# Altium PCB 191230 PCB.PcbDoc (part 1 of 2) (continued)
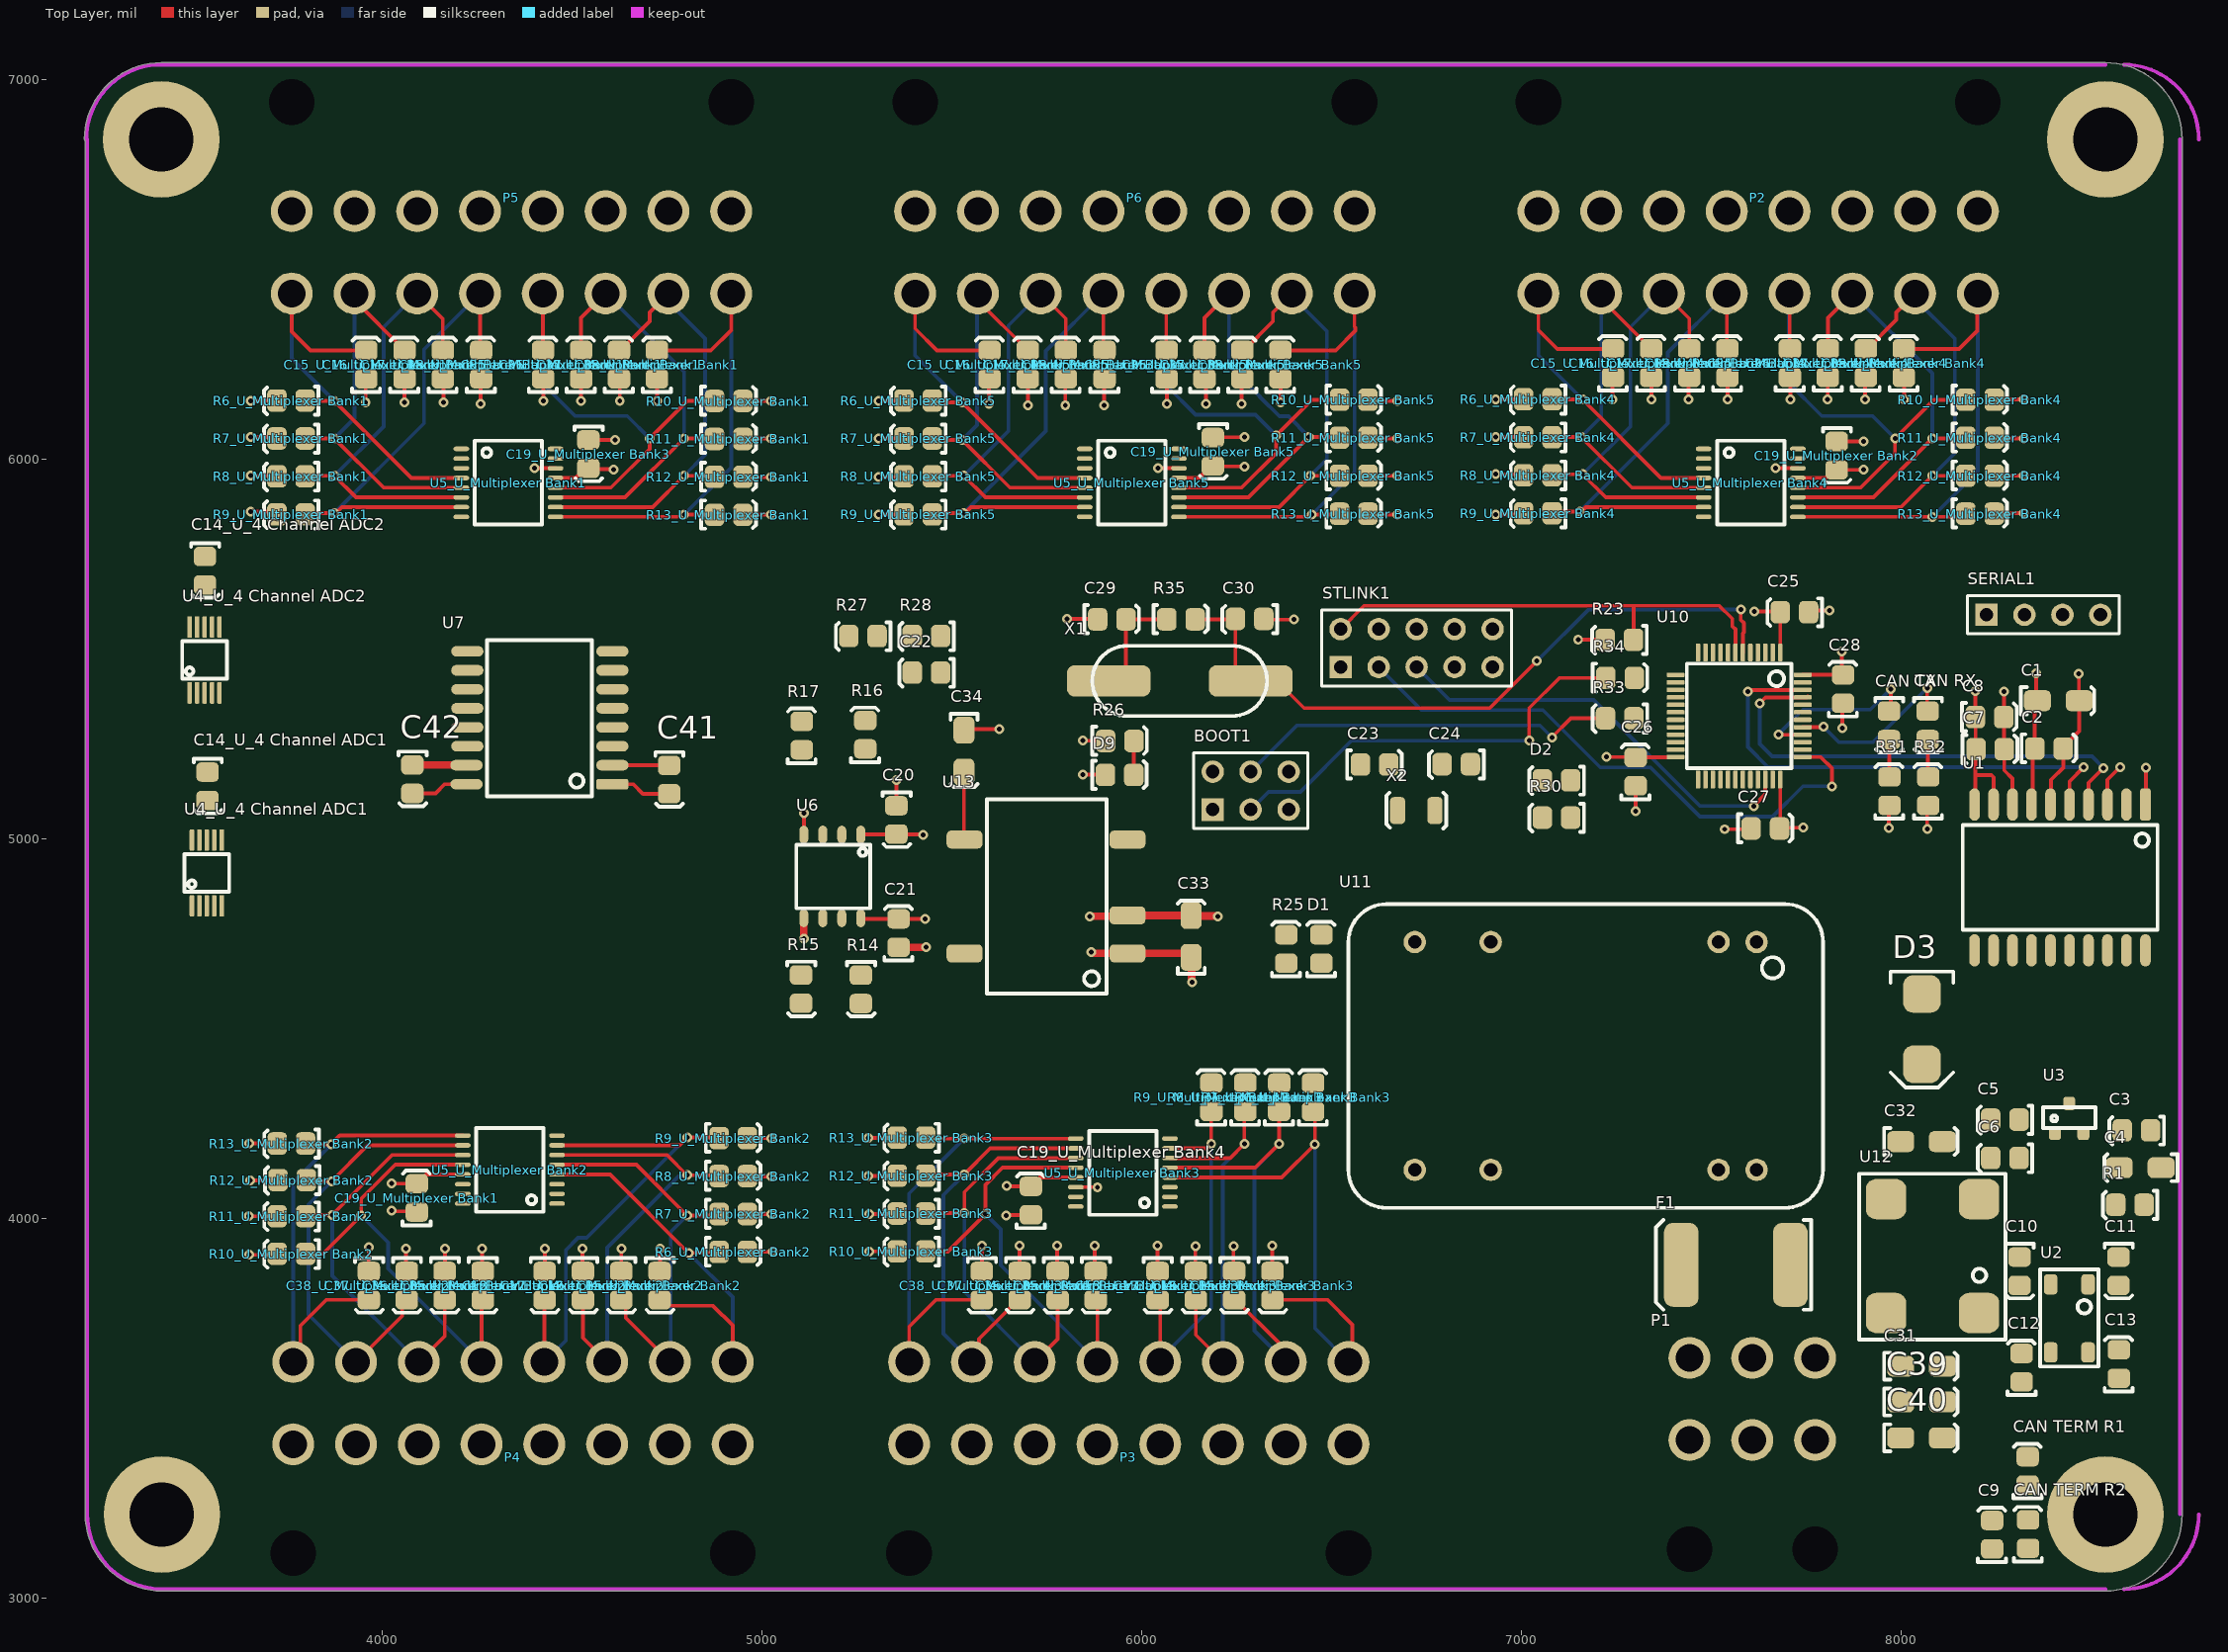
[diagram p0: Top Layer view]
## Classes and differential pairs
channel class "Multiplexer Bank": "U_Multiplexer Bank1" "U_Multiplexer Bank2" "U_Multiplexer Bank3" "U_Multiplexer Bank4" "U_Multiplexer Bank5" "U_Multiplexer Bank6" "U_Multiplexer Bank7" "U_Multiplexer Bank8"
channel class "4 Channel ADC": "U_4 Channel ADC1" "U_4 Channel ADC2"
component class "U_Power Supply": "0V ISO TP" "0V TP" "3.3V ISO TP" "5V TP" C31 C32 C33 C34 C39 C40 D1 D3 D9 F1 "GLV+ TP" "GLV- TP" R25 R26 U11 U12 U13
component class "U_Multiplexer Bank5": "C15_U_Multiplexer Bank5" "C16_U_Multiplexer Bank5" "C17_U_Multiplexer Bank5" "C18_U_Multiplexer Bank5" "C19_U_Multiplexer Bank5" "C35_U_Multiplexer Bank5" "C36_U_Multiplexer Bank5" "C37_U_Multiplexer Bank5" "C38_U_Multiplexer Bank5" "MUX TP1_U_Multiplexer Bank5" "R6_U_Multiplexer Bank5" "R7_U_Multiplexer Bank5" "R8_U_Multiplexer Bank5" "R9_U_Multiplexer Bank5" "R10_U_Multiplexer Bank5" "R11_U_Multiplexer Bank5" "R12_U_Multiplexer Bank5" "R13_U_Multiplexer Bank5" "U5_U_Multiplexer Bank5"
component class "U_Multiplexer Bank4": "C15_U_Multiplexer Bank4" "C16_U_Multiplexer Bank4" "C17_U_Multiplexer Bank4" "C18_U_Multiplexer Bank4" "C19_U_Multiplexer Bank4" "C35_U_Multiplexer Bank4" "C36_U_Multiplexer Bank4" "C37_U_Multiplexer Bank4" "C38_U_Multiplexer Bank4" "MUX TP1_U_Multiplexer Bank4" "R6_U_Multiplexer Bank4" "R7_U_Multiplexer Bank4" "R8_U_Multiplexer Bank4" "R9_U_Multiplexer Bank4" "R10_U_Multiplexer Bank4" "R11_U_Multiplexer Bank4" "R12_U_Multiplexer Bank4" "R13_U_Multiplexer Bank4" "U5_U_Multiplexer Bank4"
component class "U_Multiplexer Bank3": "C15_U_Multiplexer Bank3" "C16_U_Multiplexer Bank3" "C17_U_Multiplexer Bank3" "C18_U_Multiplexer Bank3" "C19_U_Multiplexer Bank3" "C35_U_Multiplexer Bank3" "C36_U_Multiplexer Bank3" "C37_U_Multiplexer Bank3" "C38_U_Multiplexer Bank3" "MUX TP1_U_Multiplexer Bank3" "R6_U_Multiplexer Bank3" "R7_U_Multiplexer Bank3" "R8_U_Multiplexer Bank3" "R9_U_Multiplexer Bank3" "R10_U_Multiplexer Bank3" "R11_U_Multiplexer Bank3" "R12_U_Multiplexer Bank3" "R13_U_Multiplexer Bank3" "U5_U_Multiplexer Bank3"
component class "U_Multiplexer Bank2": "C15_U_Multiplexer Bank2" "C16_U_Multiplexer Bank2" "C17_U_Multiplexer Bank2" "C18_U_Multiplexer Bank2" "C19_U_Multiplexer Bank2" "C35_U_Multiplexer Bank2" "C36_U_Multiplexer Bank2" "C37_U_Multiplexer Bank2" "C38_U_Multiplexer Bank2" "MUX TP1_U_Multiplexer Bank2" "R6_U_Multiplexer Bank2" "R7_U_Multiplexer Bank2" "R8_U_Multiplexer Bank2" "R9_U_Multiplexer Bank2" "R10_U_Multiplexer Bank2" "R11_U_Multiplexer Bank2" "R12_U_Multiplexer Bank2" "R13_U_Multiplexer Bank2" "U5_U_Multiplexer Bank2"
component class "U_Multiplexer Bank1": "C15_U_Multiplexer Bank1" "C16_U_Multiplexer Bank1" "C17_U_Multiplexer Bank1" "C18_U_Multiplexer Bank1" "C19_U_Multiplexer Bank1" "C35_U_Multiplexer Bank1" "C36_U_Multiplexer Bank1" "C37_U_Multiplexer Bank1" "C38_U_Multiplexer Bank1" "MUX TP1_U_Multiplexer Bank1" "R6_U_Multiplexer Bank1" "R7_U_Multiplexer Bank1" "R8_U_Multiplexer Bank1" "R9_U_Multiplexer Bank1" "R10_U_Multiplexer Bank1" "R11_U_Multiplexer Bank1" "R12_U_Multiplexer Bank1" "R13_U_Multiplexer Bank1" "U5_U_Multiplexer Bank1"
component class U_Microcontroller: BOOT1 C22 C23 C24 C25 C26 C27 C28 C29 C30 "CAN RX" "CAN TX" D2 "PCB TEMP" R23 R27 R28 R30 R31 R32 R33 R34 R35 SERIAL1 STLINK1 U10 X1 X2
component class "U_Digital Isolation": C20 C21 C41 C42 R14 R15 R16 R17 "SCL ISO TP" "SCL TP" "SDA ISO TP" "SDA TP" "SEL0 ISO TP" "SEL0 TP" "SEL1 ISO TP" "SEL1 TP" "SEL2 ISO TP" "SEL2 TP" U6 U7
component class U_CAN: C1 C2 C3 C4 C5 C6 C7 C8 C9 C10 C11 C12 C13 "CAN RX TP" "CAN TERM R1" "CAN TERM R2" "CAN TX TP" "CANH TP1" "CANL TP1" R1 U1 U2 U3
component class "U_4 Channel ADC2": "C14_U_4 Channel ADC2" "U4_U_4 Channel ADC2"
component class "U_4 Channel ADC1": "C14_U_4 Channel ADC1" "U4_U_4 Channel ADC1"
component class "Top Level": P1 P2 P3 P4 P5 P6

## Components (designator, comment, footprint, x,y, rotation, side; value= is the part's Value field where it differs from the comment)
"0V ISO TP" "0mm" "SMD Test Point" 9516.14,10564.31 r90 bottom
"0V TP" "0mm" "SMD Test Point" 9165.73,10564.31 r90 bottom
"3.3V ISO TP" "0mm" "SMD Test Point" 9130.54,10289.7 r90 bottom
"5V TP" "0mm" "SMD Test Point" 10290.04,10289.7 r90 bottom
BOOT1 "2.54mm" "TH 2.54mm Header 2x3" 6187.4,5077.17 r0 top
C1 "10nF" 1206 8461.61,5364.17 r0 top
C2 "100nF" 0805 8390.23,5239.22 r0 top
C3 "100nF" 0805 8619.6,4231.25 r180 top
C4 "10nF" 1206 8582.68,4133.86 r180 top
C5 "10uF" 0805 8273.14,4259.65 r180 top
C6 "100nF" 0805 8273.14,4158.46 r180 top
C7 "10uF" 0805 8235.24,5237.2 r0 top
C8 "100nF" 0805 8233.74,5321.9 r0 top
C9 "22pF" 0805 8239.13,3167.8 r90 top
C10 "100pF" 0805 8313.04,3860.75 r270 top
C11 "100pF" 0805 8573.87,3860.75 r270 top
C12 "100pF" 0805 8316.88,3607.76 r90 top
C13 "100pF" 0805 8572.83,3617.13 r90 top
"C14_U_4 Channel ADC1" "100nF" 0805 3541.39,5138.31 r270 top (schematic designator C14)
"C14_U_4 Channel ADC2" "100nF" 0805 3534.5,5706.22 r270 top (schematic designator C14)
"C15_U_Multiplexer Bank1" "100nF" 0805 3957.24,6250 r90 top (schematic designator C15)
"C15_U_Multiplexer Bank2" "100nF" 0805 4731.74,3822.83 r270 top (schematic designator C15)
"C15_U_Multiplexer Bank3" "100nF" 0805 6345.91,3822.83 r270 top (schematic designator C15)
"C15_U_Multiplexer Bank4" "100nF" 0805 7240.7,6253.94 r90 top (schematic designator C15)
"C15_U_Multiplexer Bank5" "100nF" 0805 5598.97,6250 r90 top (schematic designator C15)
"C16_U_Multiplexer Bank1" "100nF" 0805 4058.1,6250 r90 top (schematic designator C16)
"C16_U_Multiplexer Bank2" "100nF" 0805 4630.87,3822.83 r270 top (schematic designator C16)
"C16_U_Multiplexer Bank3" "100nF" 0805 6245.04,3822.83 r270 top (schematic designator C16)
"C16_U_Multiplexer Bank4" "100nF" 0805 7341.04,6253.94 r90 top (schematic designator C16)
"C16_U_Multiplexer Bank5" "100nF" 0805 5699.31,6250 r90 top (schematic designator C16)
"C17_U_Multiplexer Bank1" "100nF" 0805 4158.97,6250 r90 top (schematic designator C17)
"C17_U_Multiplexer Bank2" "100nF" 0805 4530,3822.83 r270 top (schematic designator C17)
"C17_U_Multiplexer Bank3" "100nF" 0805 6144.18,3822.83 r270 top (schematic designator C17)
"C17_U_Multiplexer Bank4" "100nF" 0805 7441.39,6253.94 r90 top (schematic designator C17)
"C17_U_Multiplexer Bank5" "100nF" 0805 5799.66,6250 r90 top (schematic designator C17)
"C18_U_Multiplexer Bank1" "100nF" 0805 4259.84,6250 r90 top (schematic designator C18)
"C18_U_Multiplexer Bank2" "100nF" 0805 4429.13,3822.83 r270 top (schematic designator C18)
"C18_U_Multiplexer Bank3" "100nF" 0805 6043.31,3822.83 r270 top (schematic designator C18)
"C18_U_Multiplexer Bank4" "100nF" 0805 7541.73,6253.94 r90 top (schematic designator C18)
"C18_U_Multiplexer Bank5" "100nF" 0805 5901.57,6250 r90 top (schematic designator C18)
"C19_U_Multiplexer Bank1" "100nF" 0805 4090.55,4055.12 r90 top (schematic designator C19)
"C19_U_Multiplexer Bank2" "100nF" 0805 7831.74,6009.37 r270 top (schematic designator C19)
"C19_U_Multiplexer Bank3" "100nF" 0805 4544.34,6013.31 r270 top (schematic designator C19)
"C19_U_Multiplexer Bank4" "100nF" 0805 5707.63,4047.72 r90 top (schematic designator C19)
"C19_U_Multiplexer Bank5" "100nF" 0805 6188.98,6019.69 r270 top (schematic designator C19)
C20 "100nF" 0805 5355.36,5049.72 r270 top
C21 "100nF" 0805 5359.2,4752.44 r90 top
C22 "100nF" 0805 5433.07,5437.01 r180 top
C23 "22pF" 0805 6614.17,5196.85 r0 top
C24 "22pF" 0805 6828.27,5195.82 r180 top
C25 "1uF" 0805 7719.01,5596.41 r180 top
C26 "100nF" 0805 7300.15,5177.64 r90 top
C27 "100nF" 0805 7643.19,5028.59 r0 top
C28 "100nF" 0805 7846.41,5395.16 r90 top
C29 "22pF" 0805 5922.24,5579.52 r0 top
C30 "22pF" 0805 6283.97,5578.69 r180 top
C31 "22uF" 1206 8101.38,3611.22 r0 top
C32 "22uF" 1206 8101.38,4202.76 r0 top
C33 "22uF" 1206 6130.91,4790.35 r90 top
C34 "22uF" 1206 5532.48,5184.06 r270 top
"C35_U_Multiplexer Bank1" "100nF" 0805 4422.98,6250 r90 top (schematic designator C35)
"C35_U_Multiplexer Bank2" "100nF" 0805 4265.99,3822.83 r270 top (schematic designator C35)
"C35_U_Multiplexer Bank3" "100nF" 0805 5880.17,3822.83 r270 top (schematic designator C35)
"C35_U_Multiplexer Bank4" "100nF" 0805 7706.45,6253.94 r90 top (schematic designator C35)
"C35_U_Multiplexer Bank5" "100nF" 0805 6064.72,6250 r90 top (schematic designator C35)
"C36_U_Multiplexer Bank1" "100nF" 0805 4522.98,6250 r90 top (schematic designator C36)
"C36_U_Multiplexer Bank2" "100nF" 0805 4165.99,3822.83 r270 top (schematic designator C36)
"C36_U_Multiplexer Bank3" "100nF" 0805 5780.17,3822.83 r270 top (schematic designator C36)
"C36_U_Multiplexer Bank4" "100nF" 0805 7806.45,6253.94 r90 top (schematic designator C36)
"C36_U_Multiplexer Bank5" "100nF" 0805 6164.72,6250 r90 top (schematic designator C36)
"C37_U_Multiplexer Bank1" "100nF" 0805 4622.98,6250 r90 top (schematic designator C37)
"C37_U_Multiplexer Bank2" "100nF" 0805 4065.99,3822.83 r270 top (schematic designator C37)
"C37_U_Multiplexer Bank3" "100nF" 0805 5680.17,3822.83 r270 top (schematic designator C37)
"C37_U_Multiplexer Bank4" "100nF" 0805 7906.45,6253.94 r90 top (schematic designator C37)
"C37_U_Multiplexer Bank5" "100nF" 0805 6264.72,6250 r90 top (schematic designator C37)
"C38_U_Multiplexer Bank1" "100nF" 0805 4722.98,6250 r90 top (schematic designator C38)
"C38_U_Multiplexer Bank2" "100nF" 0805 3965.99,3822.83 r270 top (schematic designator C38)
"C38_U_Multiplexer Bank3" "100nF" 0805 5580.17,3822.83 r270 top (schematic designator C38)
"C38_U_Multiplexer Bank4" "100nF" 0805 8006.45,6253.94 r90 top (schematic designator C38)
"C38_U_Multiplexer Bank5" "100nF" 0805 6364.72,6250 r90 top (schematic designator C38)
C39 "22uF" 1206 8101.38,3516.73 r0 top
C40 "22uF" 1206 8101.38,3422.24 r0 top
C41 "100nF" 0805 4756.94,5156.03 r270 top
C42 "100nF" 0805 4080.76,5157.01 r270 top
"CAN RX" "Blue" "0805 LED" 8071.42,5298.7 r270 top
"CAN RX TP" "0mm" "SMD Test Point" 10962.25,11095.67 r90 bottom
"CAN TERM R1" "56R" 0805 8332.68,3335.63 r90 top
"CAN TERM R2" "56R" 0805 8333.66,3169.29 r90 top
"CAN TX" "Blue" "0805 LED" 7969.33,5298.7 r270 top
"CAN TX TP" "0mm" "SMD Test Point" 11551.85,11095.67 r90 bottom
"CANH TP1" "0mm" "SMD Test Point" 10685.04,11031.5 r90 bottom
"CANL TP1" "0mm" "SMD Test Point" 10452.38,11095.67 r90 bottom
D1 "Red" "0805 LED" 6472.39,4710.63 r90 top
D2 "Red" "0805 LED" 7092.52,5153.28 r180 top
D3 "SD560BTR" "SMB Diode" 8055.12,4581.69 r270 top
D9 "Red" "0805 LED" 5942.72,5169.49 r0 top
F1 "0ZCF0200AF2C" 2920 7708.66,3877.95 r180 top
"GLV+ TP" "0mm" "SMD Test Point" 9820.53,10289.7 r90 bottom
"GLV- TP" "0mm" "SMD Test Point" 10095.89,10564.31 r90 bottom
"MUX TP1_U_Multiplexer Bank1" "0mm" "SMD Test Point" 9194.88,11039.37 r180 bottom (schematic designator "MUX TP1")
"MUX TP1_U_Multiplexer Bank2" "0mm" "SMD Test Point" 9270.67,11259.84 r180 bottom (schematic designator "MUX TP1")
"MUX TP1_U_Multiplexer Bank3" "0mm" "SMD Test Point" 9034.45,11020.67 r180 bottom (schematic designator "MUX TP1")
"MUX TP1_U_Multiplexer Bank4" "0mm" "SMD Test Point" 9089.57,11169.29 r180 bottom (schematic designator "MUX TP1")
"MUX TP1_U_Multiplexer Bank5" "0mm" "SMD Test Point" 9062.99,11340.55 r180 bottom (schematic designator "MUX TP1")
P1 "39300060" 39300060 7773.62,3416.34 r0 top
P2 "39300160" 39300160 7045.28,6653.54 r180 top
P3 "39300160" 39300160 6545.28,3405.51 r0 top
P4 "39300160" 39300160 4923.23,3405.51 r0 top
P5 "39300160" 39300160 3761.81,6653.54 r180 top
P6 "39300160" 39300160 5403.54,6653.54 r180 top
"PCB TEMP" "0mm" "SMD Test Point" 11827.76,11071.85 r90 bottom
R1 "0R" 0805 8602.36,4035.43 r180 top
"R6_U_Multiplexer Bank1" "680R" 0805 3759.84,6153.94 r180 top (schematic designator R6)
"R6_U_Multiplexer Bank2" "680R" 0805 4925.2,3912.99 r0 top (schematic designator R6)
"R6_U_Multiplexer Bank3" "680R" 0805 6450.79,4319.88 r90 top (schematic designator R6)
"R6_U_Multiplexer Bank4" "680R" 0805 7043.31,6157.05 r180 top (schematic designator R6)
"R6_U_Multiplexer Bank5" "680R" 0805 5411.42,6153.94 r180 top (schematic designator R6)
"R7_U_Multiplexer Bank1" "680R" 0805 3759.84,6053.94 r180 top (schematic designator R7)
"R7_U_Multiplexer Bank2" "680R" 0805 4925.2,4012.99 r0 top (schematic designator R7)
"R7_U_Multiplexer Bank3" "680R" 0805 6361.55,4319.88 r90 top (schematic designator R7)
"R7_U_Multiplexer Bank4" "680R" 0805 7043.31,6057.05 r180 top (schematic designator R7)
"R7_U_Multiplexer Bank5" "680R" 0805 5411.42,6053.94 r180 top (schematic designator R7)
"R8_U_Multiplexer Bank1" "680R" 0805 3759.84,5953.94 r180 top (schematic designator R8)
"R8_U_Multiplexer Bank2" "680R" 0805 4925.2,4112.99 r0 top (schematic designator R8)
"R8_U_Multiplexer Bank3" "680R" 0805 6272.31,4319.88 r90 top (schematic designator R8)
"R8_U_Multiplexer Bank4" "680R" 0805 7043.31,5957.05 r180 top (schematic designator R8)
"R8_U_Multiplexer Bank5" "680R" 0805 5411.42,5953.94 r180 top (schematic designator R8)
"R9_U_Multiplexer Bank1" "680R" 0805 3759.84,5853.94 r180 top (schematic designator R9)
"R9_U_Multiplexer Bank2" "680R" 0805 4925.2,4212.99 r0 top (schematic designator R9)
"R9_U_Multiplexer Bank3" "680R" 0805 6183.07,4319.88 r90 top (schematic designator R9)
"R9_U_Multiplexer Bank4" "680R" 0805 7043.31,5857.05 r180 top (schematic designator R9)
"R9_U_Multiplexer Bank5" "680R" 0805 5411.42,5853.94 r180 top (schematic designator R9)
"R10_U_Multiplexer Bank1" "680R" 0805 4913.39,6154.76 r0 top (schematic designator R10)
"R10_U_Multiplexer Bank2" "680R" 0805 3760.83,3906.06 r180 top (schematic designator R10)
"R10_U_Multiplexer Bank3" "680R" 0805 5393.7,3912.16 r180 top (schematic designator R10)
"R10_U_Multiplexer Bank4" "680R" 0805 8208.66,6157.87 r0 top (schematic designator R10)
"R10_U_Multiplexer Bank5" "680R" 0805 6559.45,6157.87 r0 top (schematic designator R10)
"R11_U_Multiplexer Bank1" "680R" 0805 4913.39,6054.76 r0 top (schematic designator R11)
"R11_U_Multiplexer Bank2" "680R" 0805 3760.83,4004.92 r180 top (schematic designator R11)
"R11_U_Multiplexer Bank3" "680R" 0805 5393.7,4012.16 r180 top (schematic designator R11)
"R11_U_Multiplexer Bank4" "680R" 0805 8208.66,6057.87 r0 top (schematic designator R11)
"R11_U_Multiplexer Bank5" "680R" 0805 6559.45,6057.87 r0 top (schematic designator R11)
"R12_U_Multiplexer Bank1" "680R" 0805 4913.39,5954.76 r0 top (schematic designator R12)
"R12_U_Multiplexer Bank2" "680R" 0805 3762.8,4100.39 r180 top (schematic designator R12)
"R12_U_Multiplexer Bank3" "680R" 0805 5393.7,4112.16 r180 top (schematic designator R12)
"R12_U_Multiplexer Bank4" "680R" 0805 8208.66,5957.87 r0 top (schematic designator R12)
"R12_U_Multiplexer Bank5" "680R" 0805 6559.45,5957.87 r0 top (schematic designator R12)
"R13_U_Multiplexer Bank1" "680R" 0805 4913.39,5854.76 r0 top (schematic designator R13)
"R13_U_Multiplexer Bank2" "680R" 0805 3760.83,4196.85 r180 top (schematic designator R13)
"R13_U_Multiplexer Bank3" "680R" 0805 5393.7,4212.16 r180 top (schematic designator R13)
"R13_U_Multiplexer Bank4" "680R" 0805 8208.66,5857.87 r0 top (schematic designator R13)
"R13_U_Multiplexer Bank5" "680R" 0805 6559.45,5857.87 r0 top (schematic designator R13)
R14 "3.3k" 0805 5261.81,4603.35 r270 top
R15 "3.3k" 0805 5104.38,4603.86 r270 top
R16 "3.3k" 0805 5271.61,5275.08 r90 top
R17 "3.3k" 0805 5104.33,5272.64 r90 top
R23 "10k" 0805 7257.87,5523.62 r180 top
R25 "680R" 0805 6379.92,4710.63 r90 top
R26 "510R" 0805 5943.19,5259.1 r0 top
R27 "10k" 0805 5265.75,5533.46 r180 top
R28 "10K (NTC) (B25/85 3430K)" 0805 5433.07,5533.46 r180 top
R30 "510R" 0805 7092.52,5055.12 r180 top
R31 "510R" 0805 7968.5,5126.24 r90 top
R32 "510R" 0805 8070.59,5126.24 r90 top
R33 "10k" 0805 7258.86,5316.93 r180 top
R34 "10k" 0805 7260.77,5425.2 r0 top
R35 "10M" 0805 6104.33,5579.52 r0 top
"SCL ISO TP" "0mm" "SMD Test Point" 11361.95,10820.1 r90 bottom
"SCL TP" "0mm" "SMD Test Point" 11528.36,10779.75 r90 bottom
"SDA ISO TP" "0mm" "SMD Test Point" 10722.15,10820.1 r90 bottom
"SDA TP" "0mm" "SMD Test Point" 11118.89,10779.75 r90 bottom
"SEL0 ISO TP" "0mm" "SMD Test Point" 10801.18,11263.78 r90 bottom
"SEL0 TP" "0mm" "SMD Test Point" 10206.69,11341.54 r90 bottom
"SEL1 ISO TP" "0mm" "SMD Test Point" 10122.05,11096.46 r90 bottom
"SEL1 TP" "0mm" "SMD Test Point" 10050.2,11471.46 r90 bottom
"SEL2 ISO TP" "0mm" "SMD Test Point" 9708.66,11143.7 r90 bottom
"SEL2 TP" "0mm" "SMD Test Point" 9899.61,11130.91 r90 bottom
SERIAL1 "2.54mm" "TH 2.54mm Header 1x4" 8225.2,5590.55 r0 top
STLINK1 "2.54mm" "TH 2.54mm Header 2x5" 6524.41,5452.76 r0 top
U1 "ADM3053" "AD SOIC-W 20" 8418.72,4898.44 r180 top
U2 "B82787C0104H002" "TDK 4-PC Pad" 8492.67,3826.59 r270 top
U3 "NUP2105L" "ON SOT-23" 8442.91,4263.78 r0 top
"U4_U_4 Channel ADC1" "ADS1115" "TI 10-VSSOP" 3538.39,4910.43 r90 top (schematic designator U4)
"U4_U_4 Channel ADC2" "ADS1115" "TI 10-VSSOP" 3532.48,5471.46 r90 top (schematic designator U4)
"U5_U_Multiplexer Bank1" "ADG708" "AD 16-TSSOP" 4204.72,6029.53 r270 top (schematic designator U5)
"U5_U_Multiplexer Bank2" "ADG708" "AD 16-TSSOP" 4464.57,4037.4 r90 top (schematic designator U5)
"U5_U_Multiplexer Bank3" "ADG708" "AD 16-TSSOP" 6078.74,4029.53 r90 top (schematic designator U5)
"U5_U_Multiplexer Bank4" "ADG708" "AD 16-TSSOP" 7476.38,6029.53 r270 top (schematic designator U5)
"U5_U_Multiplexer Bank5" "ADG708" "AD 16-TSSOP" 5846.46,6029.53 r270 top (schematic designator U5)
U6 "ISO1540DR" "TI 8-SOIC" 5160.65,4630.23 r270 top
U7 "ADuM1400" "AD 16-SOIC" 4414.37,5369.09 r90 top
U10 "STM32F103C8T6" "STM 48-LQFP" 7573.82,5323.82 r180 top
U11 "JTC0424S05" "24-DIP Module, 7 Leads" 7169.68,4428.35 r180 top
U12 "744273501" "Wurth 4-PC Pad" 7960.63,4051.18 r270 top
U13 "R2S-053.3/P" "RECOM 8-SMD (5 Pin)" 5750.39,4848.43 r90 top
X1 "Value" "Abracon HC-49/US" 6100.39,5416.34 r0 top
X2 "32.768kHz" "EPSON 2-SMD" 6723.43,5074.8 r0 top

## Footprints (in the part's own frame and the unit in brackets; to place one, negate y for a bottom-side part, rotate by r counter-clockwise, add the part's x,y. Pads: shape width x height; smd on the part's side, far side on the other; paste and mask are expansions set on the pad)
"24-DIP Module, 7 Leads" [mm]
  round 1.5 hole 0.9: 2(-11.43,-7.62) 3(-8.89,-7.62) 9(6.35,-7.62) 11(11.43,-7.62) 14(11.43,7.62) 16(6.35,7.62) 22(-8.89,7.62) 23(-11.43,7.62)
  silkscreen extent -15.88,-10.16 15.88,10.16, body extent -15.87,-10.16 15.87,10.16, height 10.41
0805 [mil]
  rrect50% 51.18x59.06 smd: 1(-37.87,-1.03) 2(36.93,-1.03)
  silkscreen extent -73,-37 71,37, body extent -39,-26 39,26, height 29
"0805 LED" [mil]
  rrect50% 51.18x59.06 smd: A(-37.87,-1.03) K(36.93,-1.03)
  silkscreen extent -73,-37 71,37, body extent -43,-25 35,25, height 39
1206 [mm]
  rrect50% 1.8x1.4 smd: 1(-2.6,0) 2(0.2,0)
  silkscreen extent -3.7,-0.9 1.2,0.9, body extent -2.9,-0.9 0.5,0.9, height 1.85
2920 [mm]
  rrect50% 2.3x5.6 smd: 1(0,0) 2(7.3,0)
  silkscreen extent -1.4,-3 9,3, body extent -0.34,-2.81 7.64,2.81, height 1.14
39300060 [mm]
  round 2.8 hole 1.85: 1(0,0) 2(0,5.5) 3(-4.2,0) 4(-4.2,5.5) 5(-8.4,0) 6(-8.4,5.5)
  round 1.524 hole 3.05: ""(-8.4,-7.3) ""(0,-7.3)
  body extent -11.1,-13.87 3.1,6.07, height 11.4
39300160 [mm]
  round 2.8 hole 1.85: 1(0,0) 2(0,5.5) 3(-4.2,0) 4(-4.2,5.5) 5(-8.4,0) 6(-8.4,5.5) 7(-12.6,0) 8(-12.6,5.5) 9(-16.8,0) 10(-16.8,5.5) 11(-21,0) 12(-21,5.5) 13(-25.2,0) 14(-25.2,5.5) 15(-29.4,0) 16(-29.4,5.5)
  round 1.524 hole 3.05: ""(-29.4,-7.3) ""(0,-7.3)
  body extent -32.1,-13.9 3.1,6.03, height 11.4
"Abracon HC-49/US" [mm]
  rrect50% 5.6x2.1 smd: 1(-4.75,0) 2(4.75,0)
  silkscreen extent -5.85,-2.35 5.85,2.35, body extent -6.35,-2.35 6.35,2.35, height 4.06
"AD 16-SOIC" [mil]
  rrect50% 28x85 smd: 1(-225,-192.02)
  oval 28x85 smd: 2(-175,-192.02) 3(-125,-192.02) 4(-75,-192.02) 5(-25,-192.02) 6(25,-192.02) 7(75,-192.02) 8(125,-192.02) 9(125,190) 10(75,189.96) 11(25,189.96) 12(-25,189.96) 13(-75,189.96) 14(-125,189.96) 15(-175,191.98) 16(-225,191.98)
  silkscreen extent -257,-138 155,138, body extent -256,-209 156,209, height 104
"AD 16-TSSOP" [mm]
  oval 0.3x1.05 smd: 1(0.05,0.1) 2(0.7,0.1) 3(1.35,0.1) 4(2,0.1) 5(2.65,0.1) 6(3.3,0.1) 7(3.95,0.1) 8(4.6,0.1) 9(4.6,6.4) 10(3.95,6.4) 11(3.3,6.4) 12(2.65,6.4) 13(2,6.4) 14(1.35,6.4) 15(0.7,6.4) 16(0.05,6.4)
  silkscreen extent -0.5,1 5.1,5.5, body extent -0.24,0.05 4.86,6.45, height 1.2
"AD SOIC-W 20" [mil]
  rrect50% 28x85 smd: 1(-225,-192.02)
  oval 28x85 smd: 2(-175,-192.02) 3(-125,-192.02) 4(-75,-192.02) 5(-25,-192.02) 6(25,-192.02) 7(75,-192.02) 8(125,-192.02) 9(175,-192.02) 10(225,-192.02) 11(225,192.02) 12(175,191.98) 13(125,191.98) 14(75,191.98) 15(25,191.98) 16(-25,191.98) 17(-75,191.98) 18(-125,191.98) 19(-175,191.98) 20(-225,191.98)
  silkscreen extent -257,-138 256,138, body extent -260,-210 260,210, height 105
"EPSON 2-SMD" [mm]
  rrect50% 1x1.8 smd: 1(-1.25,0) 2(1.25,0)
  silkscreen extent -2,-1.2 2,1.2, body extent -1.5,-1 1.5,1, height 1
"ON SOT-23" [mm] "NUP2105L"
  rrect50% 0.8x0.9 smd: 1(-0.95,-1) 2(0.95,-1) 3(0,1)
  silkscreen extent -1.75,-0.65 1.75,0.75, body extent -1.5,-1.27 1.5,1.28, height 1
"RECOM 8-SMD (5 Pin)" [mm]
  rrect50% 1.2x2.4 smd: 1(-3.81,-5.4) 2(-1.27,-5.4) 4(3.81,-5.4) 5(3.81,5.5) 8(-3.81,5.5)
  silkscreen extent -6.5,-4 6.5,4, body extent -6.37,-5.55 6.38,5.55, height 9.2
"SMB Diode" [mm]
  rrect50% 2.5x2.5 smd: A(-0.25,0) K(4.45,0)
  silkscreen extent -1.75,-2.1 6,2.1, body extent -0.69,-1.97 4.9,1.97, height 2.5
"SMD Test Point" [mm]
  round 1.8 smd: 1(0,0)
  silkscreen extent -1.27,-1.27 1.27,1.27
"STM 48-LQFP" [mm]
  rrect50% 0.3x1.2 smd mask+0.05: 1(-2.75,-4.25) 2(-2.25,-4.25) 3(-1.75,-4.25) 4(-1.25,-4.25) 5(-0.75,-4.25) 6(-0.25,-4.25) 7(0.25,-4.25) 8(0.75,-4.25) 9(1.25,-4.25) 10(1.75,-4.25) 11(2.25,-4.25) 12(2.75,-4.25) 25(2.75,4.25) 26(2.25,4.25) 27(1.75,4.25) 28(1.25,4.25) 29(0.75,4.25) 30(0.25,4.25) 31(-0.25,4.25) 32(-0.75,4.25) 33(-1.25,4.25) 34(-1.75,4.25) 35(-2.25,4.25) 36(-2.75,4.25)
  rrect50% 1.2x0.3 smd mask+0.05: 13(4.25,-2.75) 14(4.25,-2.25) 15(4.25,-1.75) 16(4.25,-1.25) 17(4.25,-0.75) 18(4.25,-0.25) 19(4.25,0.25) 20(4.25,0.75) 21(4.25,1.25) 22(4.25,1.75) 23(4.25,2.25) 24(4.25,2.75) 37(-4.25,2.75) 38(-4.25,2.25) 39(-4.25,1.75) 40(-4.25,1.25) 41(-4.25,0.75) 42(-4.25,0.25) 43(-4.25,-0.25) 44(-4.25,-0.75) 45(-4.25,-1.25) 46(-4.25,-1.75) 47(-4.25,-2.25) 48(-4.25,-2.75)
  silkscreen extent -3.5,-3.5 3.5,3.5, body extent -4.6,-4.6 4.6,4.6, height 1.6
"TDK 4-PC Pad" [mm]
  rrect50% 1.35x0.9 smd: 1(0,0) 2(0,-2.5) 3(4.55,-2.5) 4(4.55,0)
  silkscreen extent -1,-3.2 5.5,0.7, body extent -0.02,-2.82 4.48,0.38, height 2.8
"TH 2.54mm Header 1x4" [mm]
  rect 1.5x1.5 hole 0.9: 1(0,0)
  round 1.5 hole 0.9: 2(2.54,0) 3(5.08,0) 4(7.62,0)
  silkscreen extent -1.27,-1.27 8.89,1.27
"TH 2.54mm Header 2x3" [mm]
  rect 1.5x1.5 hole 0.9: 1(0,0)
  round 1.5 hole 0.9: 2(0,2.54) 3(2.54,0) 4(2.54,2.54) 5(5.08,0) 6(5.08,2.54)
  silkscreen extent -1.27,-1.27 6.35,3.81
"TH 2.54mm Header 2x5" [mm]
  rect 1.5x1.5 hole 0.9: 1(0,0)
  round 1.5 hole 0.9: 2(0,2.54) 3(2.54,0) 4(2.54,2.54) 5(5.08,0) 6(5.08,2.54) 7(7.62,0) 8(7.62,2.54) 9(10.16,0) 10(10.16,2.54)
  silkscreen extent -1.27,-1.27 11.43,3.81
"TI 8-SOIC" [mm]
  oval 1.2x0.6 smd: 1(-9.677,2.54) 2(-9.677,1.27) 3(-9.677,0) 4(-9.677,-1.27) 5(-4.089,-1.27) 6(-4.089,0) 7(-4.089,1.27) 8(-4.089,2.54)
  silkscreen extent -9,-1.78 -4.75,3.17, body extent -9.96,-1.87 -3.76,3.14, height 1.76
"TI 10-VSSOP" [mm]
  rrect50% 1.45x0.3 smd mask+0.05: 1(-2.2,1) 2(-2.2,0.5) 3(-2.2,0) 4(-2.2,-0.5) 5(-2.2,-1) 6(2.2,-1) 7(2.2,-0.5) 8(2.2,0) 9(2.2,0.5) 10(2.2,1)
  silkscreen extent -1.25,-1.5 1.25,1.5, body extent -2.45,-1.5 2.45,1.5, height 1.12
"Wurth 4-PC Pad" [mm]
  rrect50% 2.7x2.7 smd: 1(7.62,6.22) 2(0,6.22) 3(0,0) 4(7.62,0)
  silkscreen extent -1.7,-1.8 9.4,8, body extent -1.19,-1.24 8.81,7.46, height 6.2

## Part data
"0V ISO TP" "0V TP" "3.3V ISO TP" "5V TP" "CAN RX TP" "CAN TX TP" "CANH TP1" "CANL TP1" "GLV+ TP" "GLV- TP" "MUX TP1_U_Multiplexer Bank1" "MUX TP1_U_Multiplexer Bank2" "MUX TP1_U_Multiplexer Bank3" "MUX TP1_U_Multiplexer Bank4" "MUX TP1_U_Multiplexer Bank5" "PCB TEMP" "SCL ISO TP" "SCL TP" "SDA ISO TP" "SDA TP" "SEL0 ISO TP" "SEL0 TP" "SEL1 ISO TP" "SEL1 TP" "SEL2 ISO TP" "SEL2 TP": library part "SMD Test Point", Angle=0, Contact=NA, Flange=No, Part Number="SMD Test Point", Pitch=0mm, Positions=1, Row Spacing=0
BOOT1: library part "TH 2.54mm Header 2x3", Angle=0, Contact=NA, Flange=No, Part Number="TH 2.54mm Header 2x3", Pitch=2.54mm, Positions=6, Row Spacing=2.54mm
C1 C4: library part GCM3195C2A103JA16D, Digikey Part Number=490-4978-2-ND, Manufacturer=muRata, Rated Voltage=100V, Tolerance=5%, Material=Ceramic, Part Number=GCM3195C2A103JA16D
C2 C3 C6 C8 "C14_U_4 Channel ADC1" "C14_U_4 Channel ADC2" "C15_U_Multiplexer Bank1" "C15_U_Multiplexer Bank2" "C15_U_Multiplexer Bank3" "C15_U_Multiplexer Bank4" "C15_U_Multiplexer Bank5" "C16_U_Multiplexer Bank1" "C16_U_Multiplexer Bank2" "C16_U_Multiplexer Bank3" "C16_U_Multiplexer Bank4" "C16_U_Multiplexer Bank5" "C17_U_Multiplexer Bank1" "C17_U_Multiplexer Bank2" "C17_U_Multiplexer Bank3" "C17_U_Multiplexer Bank4" "C17_U_Multiplexer Bank5" "C18_U_Multiplexer Bank1" "C18_U_Multiplexer Bank2" "C18_U_Multiplexer Bank3" "C18_U_Multiplexer Bank4" "C18_U_Multiplexer Bank5" "C19_U_Multiplexer Bank1" "C19_U_Multiplexer Bank2" "C19_U_Multiplexer Bank3" "C19_U_Multiplexer Bank4" "C19_U_Multiplexer Bank5" C20 C21 C22 C26 C27 C28 "C35_U_Multiplexer Bank1" "C35_U_Multiplexer Bank2" "C35_U_Multiplexer Bank3" "C35_U_Multiplexer Bank4" "C35_U_Multiplexer Bank5" "C36_U_Multiplexer Bank1" "C36_U_Multiplexer Bank2" "C36_U_Multiplexer Bank3" "C36_U_Multiplexer Bank4" "C36_U_Multiplexer Bank5" "C37_U_Multiplexer Bank1" "C37_U_Multiplexer Bank2" "C37_U_Multiplexer Bank3" "C37_U_Multiplexer Bank4" "C37_U_Multiplexer Bank5" "C38_U_Multiplexer Bank1" "C38_U_Multiplexer Bank2" "C38_U_Multiplexer Bank3" "C38_U_Multiplexer Bank4" "C38_U_Multiplexer Bank5": library part GCM21BR71E104KA37L, Manufacturer=muRata, Rated Voltage=25V, Tolerance=10%, Material=X7R, Part Number=GCM21BR71E104KA37L
C5 C7: library part GRM21BR6YA106KE43L, Digikey Part Number=490-10514-6-ND, Manufacturer=muRata, Rated Voltage=50V, Tolerance=10%, Material=X5R, Part Number=GRM21BR6YA106KE43L
C9 C23 C24 C29 C30: library part GCM21B5C1H220JA37L, Manufacturer=muRata, Rated Voltage=50V, Tolerance=5%, Material=C0G, Part Number=GCM21B5C1H220JA37L
C10 C11 C12 C13: library part GCM21B5C1H101JA37L, Manufacturer=muRata, Rated Voltage=50V, Tolerance=5%, Material=C0G, Part Number=GCM21B5C1H101JA37L
C25: library part GCM21BR71A105KA37L, Manufacturer=muRata, Rated Voltage=10V, Tolerance=10%, Material=X7R, Part Number=GCM21BR71A105KA37L
C31 C32 C33 C34 C39 C40: library part CC1206MKX5R7BB226, Digikey Part Number=311-1997-2-ND, Manufacturer=YAGEO, Rated Voltage=16V, Tolerance=20%, Material=Ceramic, Part Number=CC1206MKX5R7BB226
C41 C42: library part GCM21BR71H104KA37L, Digikey Part Number=490-6064-1-ND, Manufacturer=muRata, Rated Voltage=50V, Tolerance=±10%, Material=X7R, Part Number=GCM21BR71H104KA37L
"CAN RX" "CAN TX": library part SML-MN2BCTT86C, "LED BLUE CLEAR 2012 SMD", Digikey Part Number=846-1207-1-ND, Manufacturer="ROHM Semiconductor", Colour=Blue, Digikey Link=https://www.digikey.com/product-detail/en/rohm-semiconductor/SMLMN2BCTT86C/846-1207-1-ND/6057239, Part Number=SML-MN2BCTT86C
"CAN TERM R1" "CAN TERM R2": library part RC0805FR0756RL, Manufacturer=YAGEO, Rated Voltage=0.125W, Tolerance=0.01, Material=FR-07, Part Number=RC0805FR0756RL
D1 D2 D9: library part SML-210LTT86, "Red LED Indication - Discrete 1.75V 0805 (2012 Metric)", Digikey Part Number=511-1286-1-ND, Manufacturer="ROHM Semiconductor", Colour=Red, Digikey Link=https://www.digikey.com/product-detail/en/rohm-semiconductor/SML-210LTT86/511-1286-1-ND/637099, Part Number=SML-210LTT86
D3: "1.2V_F 600V 5A SMB", Digikey Part Number=1655-1530-2-ND, Manufacturer="SMC Diode Solutions", Digikey Link=https://www.digikey.com/product-detail/en/smc-diode-solutions/SD560BTR/1655-1530-2-ND/6022620, Part Number=SD560BTR
F1: "SMD 24V 2A Fuse", Digikey Part Number=507-1749-2-ND, Manufacturer="Bel Fuse Inc", Digikey Link=https://www.digikey.com/product-detail/en/bel-fuse-inc/0ZCF0200AF2C/507-1749-2-ND/4156090, Part Number=0ZCF0200AF2C
P1: Digikey Part Number=WM21353-ND, Angle=90, Contact=Tin, Flange=No, Part Number=39300060, Pitch=4.2mm, Positions=6, Row Spacing=5.5mm
P2 P3 P4 P5 P6: Digikey Part Number=WM21358-ND, Angle=90, Contact=Tin, Flange=No, Part Number=39300160, Pitch=4.2mm, Positions=16, Row Spacing=5.5mm
R1: library part RC0805FR070RL, Manufacturer=YAGEO, Rated Voltage=0.125W, Tolerance=0.01, Material=FR-07, Part Number=RC0805FR070RL
"R6_U_Multiplexer Bank1" "R6_U_Multiplexer Bank2" "R6_U_Multiplexer Bank3" "R6_U_Multiplexer Bank4" "R6_U_Multiplexer Bank5" "R7_U_Multiplexer Bank1" "R7_U_Multiplexer Bank2" "R7_U_Multiplexer Bank3" "R7_U_Multiplexer Bank4" "R7_U_Multiplexer Bank5" "R8_U_Multiplexer Bank1" "R8_U_Multiplexer Bank2" "R8_U_Multiplexer Bank3" "R8_U_Multiplexer Bank4" "R8_U_Multiplexer Bank5" "R9_U_Multiplexer Bank1" "R9_U_Multiplexer Bank2" "R9_U_Multiplexer Bank3" "R9_U_Multiplexer Bank4" "R9_U_Multiplexer Bank5" "R10_U_Multiplexer Bank1" "R10_U_Multiplexer Bank2" "R10_U_Multiplexer Bank3" "R10_U_Multiplexer Bank4" "R10_U_Multiplexer Bank5" "R11_U_Multiplexer Bank1" "R11_U_Multiplexer Bank2" "R11_U_Multiplexer Bank3" "R11_U_Multiplexer Bank4" "R11_U_Multiplexer Bank5" "R12_U_Multiplexer Bank1" "R12_U_Multiplexer Bank2" "R12_U_Multiplexer Bank3" "R12_U_Multiplexer Bank4" "R12_U_Multiplexer Bank5" "R13_U_Multiplexer Bank1" "R13_U_Multiplexer Bank2" "R13_U_Multiplexer Bank3" "R13_U_Multiplexer Bank4" "R13_U_Multiplexer Bank5" R25: library part RC0805FR07680RL, Manufacturer=YAGEO, Rated Voltage=0.125W, Tolerance=0.01, Material=FR-07, Part Number=RC0805FR07680RL
R14 R15 R16 R17: library part RC0805FR073K3L, Manufacturer=YAGEO, Rated Voltage=0.125W, Tolerance=0.01, Material=FR-07, Part Number=RC0805FR073K3L
R23 R27 R33 R34: library part RC0805FR0710KL, Manufacturer=YAGEO, Rated Voltage=0.125W, Tolerance=0.01, Material=FR-07, Part Number=RC0805FR0710KL
R26 R30 R31 R32: library part RC0805FR07510RL, Manufacturer=YAGEO, Rated Voltage=0.125W, Tolerance=0.01, Material=FR-07, Part Number=RC0805FR07510RL
R28: library part NTCS0805E3103FLT, Digikey Part Number=BC2733CT-ND, Manufacturer="Vishay Beyschlag", Rated Voltage=210mW, Tolerance=0.01, Part Number=NTCS0805E3103FLT
R35: library part RC0805FR0710ML, Manufacturer=YAGEO, Rated Voltage=0.125W, Tolerance=0.01, Material=FR-07, Part Number=RC0805FR0710ML
SERIAL1: library part "TH 2.54mm Header 1x4", Angle=0, Contact=NA, Flange=No, Part Number="TH 2.54mm Header 1x4", Pitch=2.54mm, Positions=4, Row Spacing=2.54mm
STLINK1: library part "TH 2.54mm Header 2x5", Angle=0, Contact=NA, Flange=No, Part Number="TH 2.54mm Header 2x5", Pitch=2.54mm, Positions=10, Row Spacing=2.54mm
U1: "Isolated CAN Transceiver", Digikey Part Number=ADM3053BRWZ-ND, Manufacturer="Analogue Devices", Digikey Link=https://www.digikey.com/product-detail/en/analog-devices-inc/ADM3053BRWZ/ADM3053BRWZ-ND/2709332, Part Number=ADM3053
U2: "100µH @ 100kHz 2 Line Common Mode Choke Surface Mount 5.8 kOhms @ 10MHz 150mA DCR 2Ohm", Digikey Part Number=495-4598-1-ND, Inductance="100µH @ 100kHz", Manufacturer="EPCOS (TDK)", Rated Current=150mA, Digikey Link=https://www.digikey.com/product-detail/en/epcos-tdk/B82787C0104H002/495-4598-2-ND/3680998, Impedence="5.8 kOhms @ 10MHz", Material=Wirewound, Part Number=B82787C0104H002
U3: "Dual Line CAN Bus Protector", Digikey Part Number=NUP2105LT1GOSCT-ND, Manufacturer="ON Semiconductor", Digikey Link=https://www.digikey.com/product-detail/en/on-semiconductor/NUP2105LT1G/NUP2105LT1GOSCT-ND/1485001, Part Number=NUP2105L
"U4_U_4 Channel ADC1" "U4_U_4 Channel ADC2": "16 Bit Analog to Digital Converter 2, 4 Input 1 Sigma-Delta 10-VSSOP", Digikey Part Number=296-38849-1-ND, Manufacturer="Texas Instruments", Digikey Link=https://www.digikey.com/product-detail/en/texas-instruments/ADS1115IDGSR/296-38849-1-ND/5142969, Part Number=ADS1115
"U5_U_Multiplexer Bank1" "U5_U_Multiplexer Bank2" "U5_U_Multiplexer Bank3" "U5_U_Multiplexer Bank4" "U5_U_Multiplexer Bank5": "1 Circuit IC Switch 8:1 4.5Ohm 16-TSSOP", Digikey Part Number=ADG708BRUZ-ND, Manufacturer="Analog Devices", Digikey Link=https://www.digikey.com/product-detail/en/analog-devices-inc/ADG708BRUZ/ADG708BRUZ-ND/820104, Part Number=ADG708
U6: "I2C Digital Isolator (Multichannel)", Digikey Part Number=296-34871-1-ND, Manufacturer="Texas Instruments", Digikey Link=https://www.digikey.com/product-detail/en/texas-instruments/ISO1540DR/296-34871-1-ND/3587214, Part Number=ISO1540DR
U7: "General Purpose Digital Isolator 2500Vrms 4 Channel 1Mbps 25kV/µs CMTI 16-SOIC (0.295\", 7.50mm Width)", Digikey Part Number=ADUM1400WSRWZ-ND, Manufacturer="Analog Devices", Digikey Link=https://www.digikey.com/product-detail/en/analog-devices-inc/ADUM1400WSRWZ/ADUM1400WSRWZ-ND/1873713, Part Number=ADuM1400
U10: "ARM® Cortex®-M3 STM32F1 Microcontroller IC 32-Bit 72MHz 64KB (64K x 8) FLASH", Digikey Part Number=497-6063-ND, Manufacturer=STMicroelectronics, Digikey Link=https://www.digikey.com/product-detail/en/stmicroelectronics/STM32F103C8T6/497-6063-ND/1646338, Part Number=STM32F103C8T6
U11: "DC DC CONVERTER 5V 4W", Digikey Part Number=JTC0424S05-ND, Input Voltage=9V-36V, Manufacturer="XP Power", Output Power=4W, Output Voltage=5V, Digikey Link=https://www.digikey.com/products/en?keywords=%20JTC0424S05, Efficiency=0.79, Isolation=Isolated, Part Number=JTC0424S05
U12: "5µH @ 100kHz 2 Line Common Mode Choke Surface Mount 500 Ohms @ 130MHz 5A DCR 5.5mOhm", Digikey Part Number=732-2214-6-ND, Inductance="5µH @ 100kHz", Manufacturer="Wurth Electronics Inc", Rated Current=5A, Digikey Link=https://www.digikey.com/product-detail/en/w-rth-elektronik/744273501/732-2214-6-ND/2175826, Impedence="500 Ohms @ 130MHz", Material=Wirewound, Part Number=744273501
U13: "Isolated Module DC DC Converter 1 Output 3.3V 606mA 4.5V - 5.5V Input", Digikey Part Number=945-2677-5-ND, Input Voltage=4.5V-5.5V, Manufacturer=Recom, Output Power=2W, Output Voltage=3.3V, Digikey Link=https://www.digikey.com/product-detail/en/recom-power/R2S-053.3-P/945-2677-5-ND/2302804, Efficiency=0.75, Isolation=Isolated, Part Number=R2S-053.3/P
X1: library part ABLS-16.000MHZ-B4-T, Digikey Part Number=535-10226-1-ND, Load Capacitance=18pF, Manufacturer="Abracon LLC", Digikey Link=https://www.digikey.com/product-detail/en/abracon-llc/ABLS-16.000MHZ-B4-T/535-10226-1-ND/2184261, ESR=40R, Part Number=ABLS-16.000MHZ-B4-T
X2: library part "FC-135 32.7680KA-A5", Digikey Part Number=SER4103TR-ND, Load Capacitance=12.5pF, Manufacturer=EPSON, Digikey Link=https://www.digikey.com/product-detail/en/epson/FC-135-32.7680KA-A5/SER4103TR-ND/5259895, ESR=70k, Part Number="FC-135 32.7680KA-A5"

## Free pads (board coordinates)
  round 307.09 hole 169.29: 21(3420.12,3220.67) 22(3418.27,6842.72) 24(8538.27,3220.67) 25(8538.27,6842.72)

## Via types
v1: diameter 26, hole 13, Top Layer to Bottom Layer, 176 vias

## Nets (pads, with @x,y where several pads share a name; then routed paths per layer and width w, separated by ;. In a path a pad name is that pad's centre, name@x,y a point inside that pad or via, vN(x,y) a via of type N, cw(c..) or ccw(c..) an arc to the next point about the centre after c; other vN are vias at no path point)
0V: "0V TP.1" "C14_U_4 Channel ADC1.1" "C14_U_4 Channel ADC2.1" "C15_U_Multiplexer Bank1.1" "C15_U_Multiplexer Bank2.1" "C15_U_Multiplexer Bank3.1" "C15_U_Multiplexer Bank4.1" "C15_U_Multiplexer Bank5.1" "C16_U_Multiplexer Bank1.1" "C16_U_Multiplexer Bank2.1" "C16_U_Multiplexer Bank3.1" "C16_U_Multiplexer Bank4.1" "C16_U_Multiplexer Bank5.1" "C17_U_Multiplexer Bank1.1" "C17_U_Multiplexer Bank2.1" "C17_U_Multiplexer Bank3.1" "C17_U_Multiplexer Bank4.1" "C17_U_Multiplexer Bank5.1" "C18_U_Multiplexer Bank1.1" "C18_U_Multiplexer Bank2.1" "C18_U_Multiplexer Bank3.1" "C18_U_Multiplexer Bank4.1" "C18_U_Multiplexer Bank5.1" "C19_U_Multiplexer Bank1.1" "C19_U_Multiplexer Bank2.1" "C19_U_Multiplexer Bank3.1" "C19_U_Multiplexer Bank4.1" "C19_U_Multiplexer Bank5.1" "C35_U_Multiplexer Bank1.1" "C35_U_Multiplexer Bank2.1" "C35_U_Multiplexer Bank3.1" "C35_U_Multiplexer Bank4.1" "C35_U_Multiplexer Bank5.1" "C36_U_Multiplexer Bank1.1" "C36_U_Multiplexer Bank2.1" "C36_U_Multiplexer Bank3.1" "C36_U_Multiplexer Bank4.1" "C36_U_Multiplexer Bank5.1" "C37_U_Multiplexer Bank1.1" "C37_U_Multiplexer Bank2.1" "C37_U_Multiplexer Bank3.1" "C37_U_Multiplexer Bank4.1" "C37_U_Multiplexer Bank5.1" "C38_U_Multiplexer Bank1.1" "C38_U_Multiplexer Bank2.1" "C38_U_Multiplexer Bank3.1" "C38_U_Multiplexer Bank4.1" "C38_U_Multiplexer Bank5.1" "U4_U_4 Channel ADC1.3" "U4_U_4 Channel ADC2.1" "U4_U_4 Channel ADC2.3" "U5_U_Multiplexer Bank1.3" "U5_U_Multiplexer Bank1.14" "U5_U_Multiplexer Bank2.3" "U5_U_Multiplexer Bank2.14" "U5_U_Multiplexer Bank3.3" "U5_U_Multiplexer Bank3.14" "U5_U_Multiplexer Bank4.3" "U5_U_Multiplexer Bank4.14" "U5_U_Multiplexer Bank5.3" "U5_U_Multiplexer Bank5.14" C21.1 C33.1 C42.1 P2.1 P2.3 P2.5 P2.7 P2.9 P2.11 P2.13 P2.15 P3.1 P3.3 P3.5 P3.7 P3.9 P3.11 P3.13 P3.15 P4.1 P4.3 P4.5 P4.7 P4.9 P4.11 P4.13 P4.15 P5.1 P5.3 P5.5 P5.7 P5.9 P5.11 P5.13 P5.15 P6.1 P6.3 P6.5 P6.7 P6.9 P6.11 P6.13 P6.15 R25.1 U6.5 U7.9 U7.15 U11.16 U13.1 | length 3737
  Top Layer w10: v1(3956.69,6149.61) 3956.69,6210.55 3958.27,6212.13 ; v1(3964.57,3925.2) 3964.57,3861.1 3964.96,3860.71 ; v1(4024.65,4021.18) 4026.62,4019.21 4089.62,4019.21 4091.58,4017.25 ; v1(4059.06,6149.61) 4059.06,6212.05 4059.14,6212.13 ; v1(4062.99,3921.26) 4062.99,3862.68 4064.96,3860.71 ; 4160.01,6212.13 4161.42,6210.72 v1(4161.42,6149.61) ; 4164.96,3860.71 4165.35,3861.1 v1(4165.35,3921.26) ; v1(4259.84,6145.67) 4259.84,6211.1 4260.87,6212.13 ; v1(4263.78,3921.26) 4263.78,3861.89 4264.96,3860.71 ; v1(4401.57,5976.38) 4456.69,5976.38 ; 4424.02,6212.13 4425.2,6210.95 v1(4425.2,6153.54) ; 4428.1,3860.71 4429.13,3861.74 v1(4429.13,3921.26) ; v1(4523.62,6153.54) 4523.62,6211.73 4524.02,6212.13 ; v1(4527.56,3921.26) 4527.56,3862.12 4528.97,3860.71 ; 4543.31,6051.18 v1(4614.17,6051.18) ; 4624.02,6212.13 4625.98,6210.16 v1(4625.98,6153.54) ; 4629.84,3860.71 4629.92,3860.79 v1(4629.92,3921.26) ; 4724.02,6212.13 4724.41,6211.73 v1(4724.41,6153.54) ; 4730.71,3860.71 4732.28,3862.28 v1(4732.28,3921.26) ; 5579.13,3860.71 5579.72,3861.3 v1(5579.72,3928.15) ; v1(5598.43,6145.67) 5598.43,6202.68 5594.49,6206.62 5600,6212.13 ; v1(5643.7,4007.87) 5644.69,4008.86 5707.68,4008.86 5708.66,4009.85 ; 5679.13,3860.71 v1(5679.13,3929.13) ; 5700.34,6212.13 5700.79,6211.68 v1(5700.79,6141.73) ; v1(5777.56,3928.15) 5777.56,3862.28 5779.13,3860.71 ; v1(5799.21,6141.73) 5799.21,6210.65 5800.69,6212.13 ; 5826.77,4082.68 v1(5883.86,4082.68) ; v1(5876.97,3928.15) 5876.97,3862.87 5879.13,3860.71 ; 5901.03,6212.13 5901.57,6211.58 v1(5901.57,6141.73) ; 6042.28,3860.71 6042.32,3860.75 v1(6042.32,3928.15) ; v1(6043.31,5976.38) 6098.43,5976.38 ; 6065.75,6212.13 6066.93,6210.95 v1(6066.93,6145.67) ; v1(6141.73,3927.17) 6141.73,3862.12 6143.14,3860.71 ; 6165.75,6212.13 6169.29,6208.58 v1(6169.29,6145.67) ; 6187.94,6057.56 6188.69,6058.31 6270.9,6058.31 v1(6271.65,6059.06) ; v1(6242.13,3927.17) 6242.13,3862.59 6244.01,3860.71 ; v1(6263.78,6145.67) 6263.78,6210.16 6265.75,6212.13 ; v1(6344.49,3928.15) 6344.49,3861.1 6344.88,3860.71 ; 6365.75,6212.13 6366.14,6211.73 v1(6366.14,6149.61) ; v1(7240.16,6157.48) 7240.16,6214.49 7241.73,6216.06 ; 7342.08,6216.06 7342.52,6215.62 v1(7342.52,6157.48) ; v1(7440.94,6157.48) 7440.94,6214.59 7442.42,6216.06 ; 7542.76,6216.06 7543.31,6215.52 v1(7543.31,6157.48) ; v1(7669.29,5976.38) 7728.35,5976.38 ; 7707.48,6216.06 7708.66,6214.88 v1(7708.66,6157.48) ; v1(7807.09,6157.48) 7807.09,6215.67 7807.48,6216.06 ; 7830.71,6047.24 v1(7901.57,6047.24) ; v1(7905.51,6157.48) 7905.51,6214.1 7907.48,6216.06 ; 8007.48,6216.06 8007.87,6215.67 v1(8007.87,6157.48)
  Top Layer w20: C42.1@4079.72,5194.88 4080.12,5194.49 4222,5194.49 U7.15@4222.39,5194.09 ; v1(5110.65,4736.79) U6.5@5110.65,4791.23 ; C21.1@5360.24,4714.57 v1(5432.08,4714.57) ; v1(5867.13,4701.77) 5869.78,4699.11 5962.3,4699.11 U13.1@5962.99,4698.43 6120.47,4698.43 C33.1@6130.91,4687.99 6131.89,4687.01 6131.89,4623.03 v1(6132.87,4622.05)